# KiCad board H.A.V.O.C. PCB V 1.0.kicad_pcb (continued)
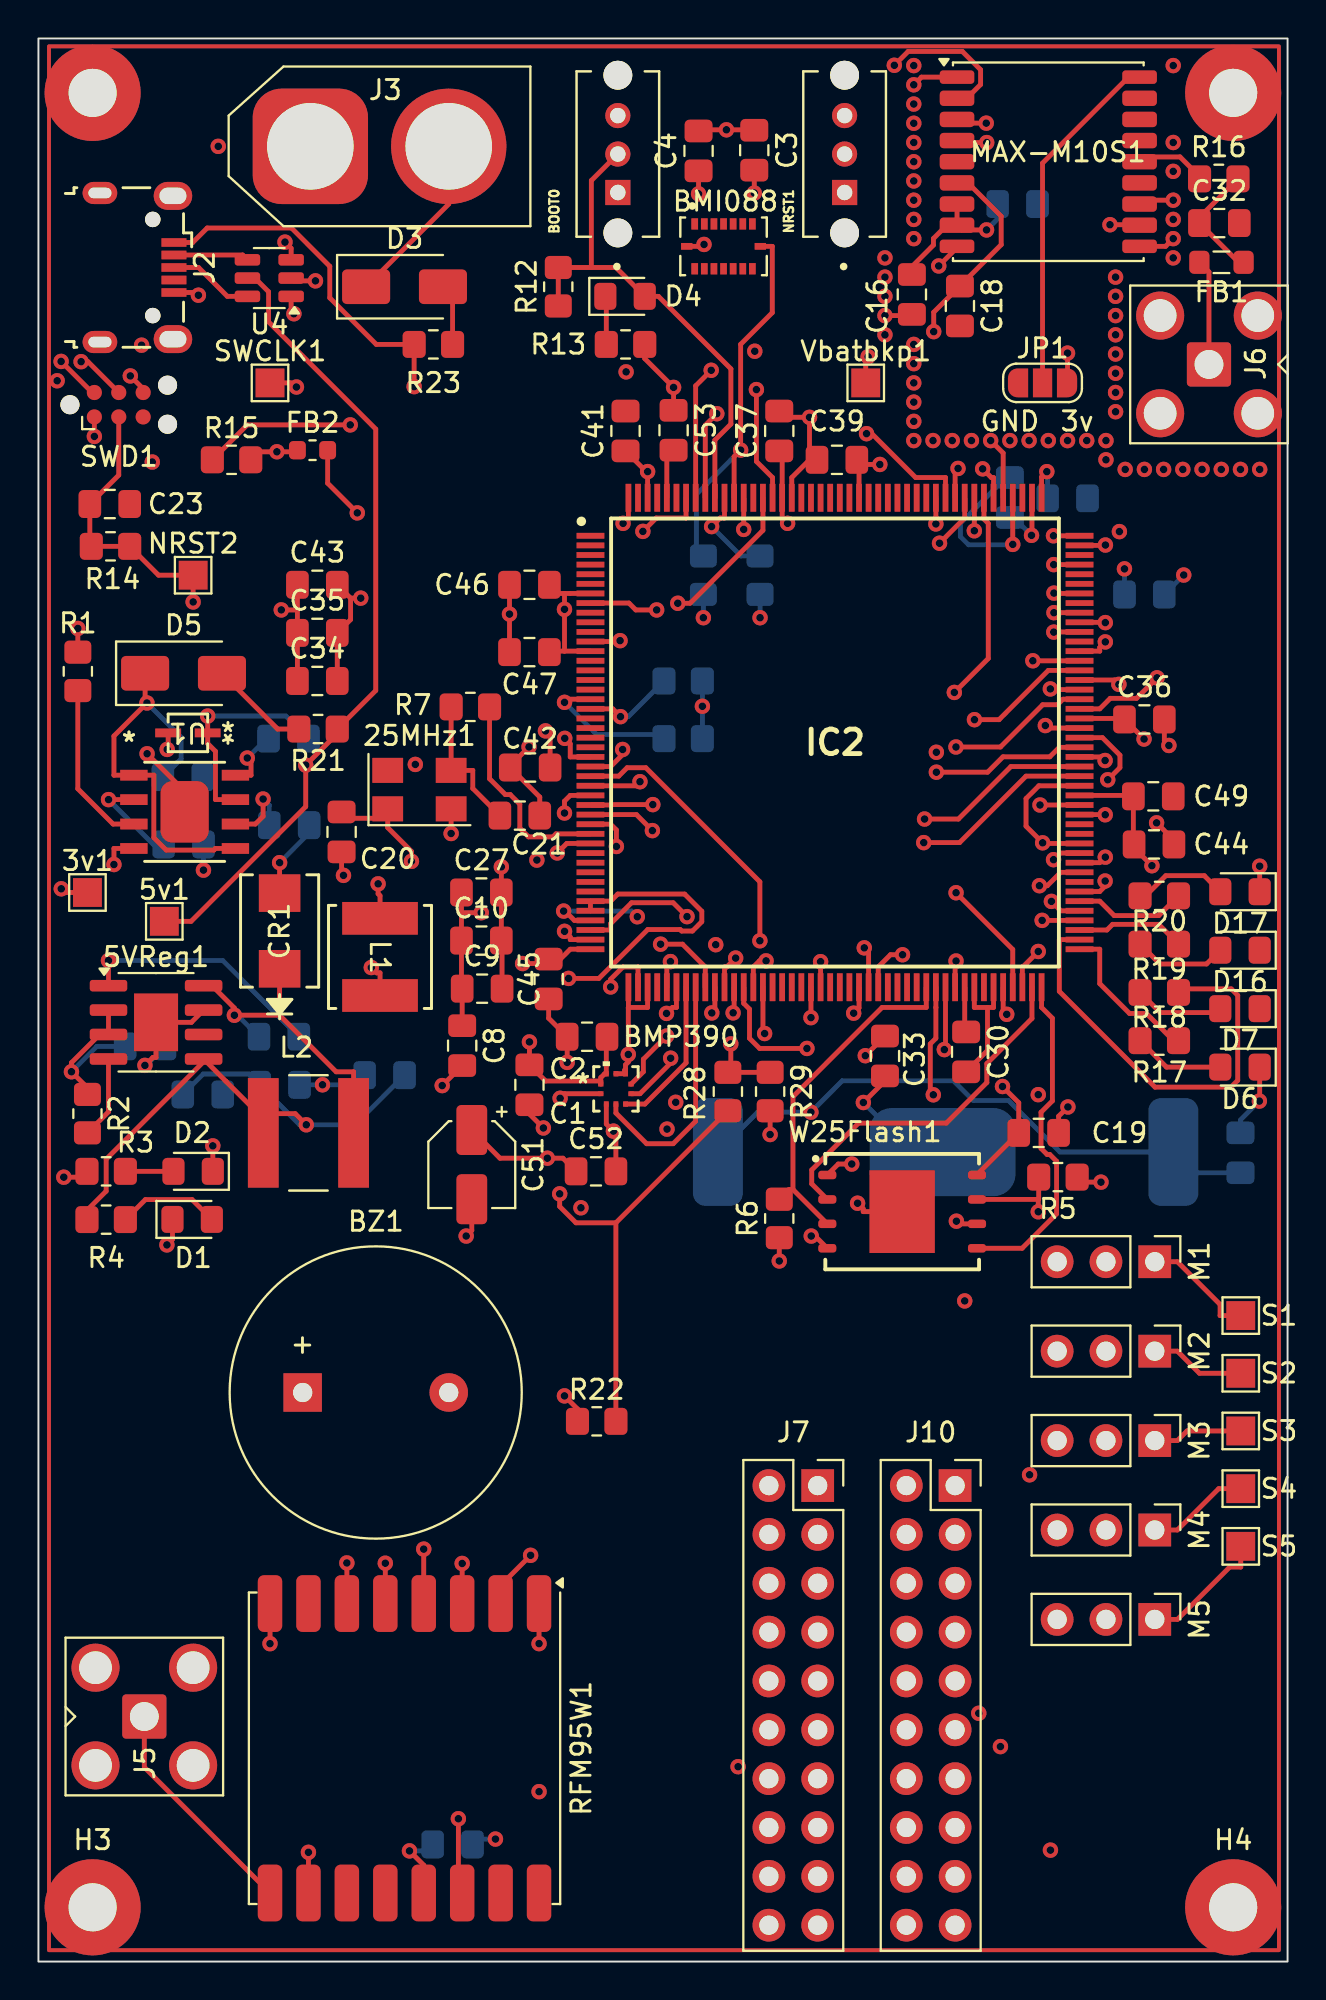
[diagram p0: board, top side]
## Routing (per net, layer and track width the routed paths; a pad name or vN(x,y) marks a point on that pad's centre or on a via; arc(x,y) is an arc through that point) (continued)
SPI3_MOSI: length 80
  Top w0.25: v1(22.05,20.7) RFM95W1.3 ; IC2.142 47.7,77.49 v1(47.85,77.64)
  3v3 w0.25: v1(48.2,34.35) 35.7,34.35 v1(22.05,20.7)
  In6.Cu w0.25: v1(48.2,34.35) 49.35,35.5 49.35,46.69 49.46,46.8 49.46,76.04 v1(47.85,77.64)
SPI3_RST: length 70.2
  Top w0.25: v1(46.7,74.76) IC2.144 ; v1(16.05,20.73) RFM95W1.6
  In5.Cu w0.25: v1(46.7,74.76) 33.02,61.08 33.02,55.11 26.79,48.87 26.79,47.94 16.05,37.21 v1(16.05,20.73)
SPI3_SCK: length 70
  Top w0.25: v1(20.05,21.45) RFM95W1.4 ; v1(48.7,74.4) IC2.140
  In5.Cu w0.25: v1(20.05,21.45) 20.05,23.77 39.3,43.02 39.3,44.46 44.17,49.33 44.17,49.72 49.45,55 49.45,73.65 v1(48.7,74.4)
SPI5_CS: length 79.9
  Top w0.25: v1(31.95,58.81) 31.12,59.64 IC2.30
  In5.Cu w0.25: v1(31.95,58.81) 31.95,56.88 22.35,47.28 22.35,45.86 12.42,35.93 12.42,22.65 23.26,11.81 31.99,11.81 36.83,6.97 J7.16
SPI5_MISO: length 63.8
  Top w0.25: v1(27.37,59.72) 27.37,60.34 27.67,60.64 IC2.28
  In6.Cu w0.25: v1(27.37,59.72) 28.78,58.31 28.78,40.86 29.83,39.82 29.83,15.62 37.21,8.24 38.44,8.24 39.37,7.31 39.37,6.42 40.18,5.61 40.55,5.61 J7.17
SPI5_MOSI: length 67.1
  Top w0.25: v1(31.97,60.16) 29.8,60.16 29.78,60.14 IC2.29
  3v3 w0.25: J7.19 40.55,3.07 40.18,3.07 39.37,3.88 39.37,7.36 38.49,8.24 37.6,8.24 36.41,9.44 v1(36.41,10.13)
  In6.Cu w0.25: v1(36.41,10.13) 31.44,15.1 31.44,51.66 30.39,52.7 30.39,56.89 30.81,57.31 30.81,59 v1(31.97,60.16)
SPI5_SCK: length 68.4
  Top w0.25: v1(31.3,61.35) 31.09,61.14 IC2.27
  In6.Cu w0.25: J7.18 38.01,5.61 37.64,5.61 28.96,14.29 28.96,39.5 28.33,40.12 28.33,57.36 26.64,59.04 26.64,60.09 27.91,61.35 v1(31.3,61.35)
SWCLK: length 55.8
  Top w0.25: v1(2.22,83.19) 2.58,83.19 SWD1.4 ; v1(13.42,81.88) 13.34,81.88 13.13,82.09 SWCLK1.1 ; IC2.138 49.7,77.17 49.59,77.17 v1(49.13,77.62)
  3v3 w0.25: v1(2.22,83.19) 12.11,83.19 v1(13.42,81.88)
  In5.Cu w0.25: v1(49.13,77.62) 48.26,76.74 21.15,76.74 16.02,81.88 v1(13.42,81.88)
SWDIO: length 61.6
  Top w0.25: v1(1.18,83.21) 2.8,81.59 SWD1.2 ; v1(52.82,74.14) IC2.132
  In5.Cu w0.25: v1(52.82,74.14) 50.9,76.06 16.98,76.06 9.79,83.25 5.14,83.25 4.43,83.96 4.43,84.67 3.92,85.18 2.51,85.18 1.18,83.85 v1(1.18,83.21)
SWO: length 43.5
  Top w0.25: SWD1.6 5.45,81.78 v1(4.78,82.45) ; v1(33.27,70.63) 33.91,70.63 37.7,74.42 IC2.162
  3v3 w0.25: v1(4.78,82.45) 4.78,80.34 13.03,72.1 31.8,72.1 v1(33.27,70.63)
UART4_RX: length 42.7
  Top w0.25: v1(33.75,54.34) 33.03,55.06 30.86,55.06 29.78,53.97 29.78,53.64 IC2.42
  In6.Cu w0.25: J7.6 38.01,20.85 37.71,20.85 34.96,23.6 34.96,46.8 33.86,47.9 33.86,54.22 v1(33.75,54.34)
UART4_TX: length 53.4
  Top w0.25: v1(27.33,54.62) 27.4,54.62 27.89,54.14 IC2.41
  In6.Cu w0.25: J7.14 38.01,10.69 37.65,10.69 31.9,16.44 31.9,52.01 31.16,52.75 v1(31.16,54.33)
  Bottom w0.25: v1(27.33,54.62) 30.87,54.62 v1(31.16,54.33)
UART5_RX: length 59.4
  Top w0.25: MAX-M10S1.2 48.31,96.89 49.03,97.61 49.03,98.37 48.08,99.33 45.26,99.33 v1(44.54,98.61) ; IC2.85 50.7,51.72 50.7,52.63 v1(47.75,55.58)
  In3.Cu w0.25: v1(47.75,55.58) 49.46,57.29 49.46,72.21 47.88,73.79 47.88,75.52 44.8,78.6 44.8,98.34 v1(44.54,98.61)
UART5_TX: length 58.8
  Top w0.25: v1(52.03,52.52) 51.22,51.72 51.2,51.72 IC2.86 ; v1(49.32,95.6) 47.99,95.6 MAX-M10S1.3
  3v3 w0.25: v1(49.32,95.6) 49.46,95.6 52.86,92.2 52.86,92.1 56.79,88.16 56.79,84.51 62.99,78.32 63.88,78.32 64.29,77.9 64.29,67.38 54.78,57.86 54.78,55.27 v1(52.03,52.52)
USB_D+: length 50.9
  Top w0.25: U4.1 13.15,85.83 v1(13.29,85.68) ; IC2.131 55.23,73.64 55.24,73.66 v1(55.52,73.66)
  3v3 w0.25: v1(13.29,85.68) 30.26,85.68 34.4,81.55 34.4,80.3 35,79.69 37.85,79.69 44.56,72.98 49.51,72.98 49.57,72.92 51.42,72.92 51.9,73.4 55.26,73.4 v1(55.52,73.66)
USB_D-: length 50.8
  Top w0.25: U4.3 13.15,89.09 v1(12.83,89.41)
  3v3 w0.25: v1(56.25,74.36) 55.13,75.48 48.09,75.48 43.89,79.68 43.89,79.76 39.91,83.74 v1(37.28,83.74) 33.78,83.74 28.11,89.41 v1(12.83,89.41)
USB_D_Connector+: length 4.4
  Top w0.25: 10.87,86.59 9.83,86.59 8.33,88.09 J2.3
USB_D_Connector-: length 3.9
  Top w0.25: 10.87,88.49 10.62,88.74 J2.2
V_DETECT: length 10.6
  Top w0.25: IC2.58 37.2,51.72 37.52,52.03 v1(37.86,52.03) ; 36.03,46.24 R28.1 ; 36.03,46.24 R29.1 ; 36.03,46.24 v1(36.03,47.72)
  3v3 w0.25: v1(36.03,47.72) 37.86,49.55 v1(37.86,52.03)
Net-(3v3Reg1-SW): length 14.7
  Top w0.25: L1.1 17.77,55.42 17.68,55.52 v1(17.68,56.04) ; 3v3Reg1.8 11.06,61.69 11.06,62.39 v1(10.87,62.58)
  3v3 w0.25: v1(17.68,56.04) 17.41,56.04 v1(10.87,62.58)
  Bottom w0.25: v1(10.87,62.58) 11.87,63.59 C7.1
Net-(5VReg1-BST): length 12.9
  Top w0.25: v1(3.64,52.05) 5VReg1.1
  Bottom w0.25: C13.1 9.59,52.05 v1(3.64,52.05)
Net-(5VReg1-EN): length 43.4
  Top w0.25: R22.1 28.05,28.74 v1(27.37,29.41) ; 5VReg1.2 5VReg1.3 3.18,48.2 1.72,46.74 v1(1.72,46.27) 2.55,45.44 R2.1
  3v3 w0.25: v1(27.37,29.41) 15.27,41.51 6.47,41.51 v1(1.72,46.27)
  Bottom w0.25: C12.1 3.04,47.59 v1(1.72,46.27)
Net-(5VReg1-PGOOD): length 4.3
  Top w0.25: 5VReg1.4 3.64,44.19 R2.2
Net-(5VReg1-SW): length 17.2
  Top w0.25: 12.55,49.21 15.49,46.27 16.4,46.27 L2.2 ; 12.55,49.21 CR1.1 ; 12.55,49.21 v1(10.2,49.21) 10.2,49.58 9.03,50.75 5VReg1.8
  Bottom w0.25: C13.2 10.36,49.21 v1(10.2,49.21)
Net-(25MHz1-Pad3): length 7.4
  Top w0.25: C21.1 22.6,61 22.6,61.94 25MHz1.3 R7.2
Net-(C32-Pad1): length 6.3
  Top w0.25: FB1.1 62.45,88.36 C32.1 60.41,90.69 R16.2
Net-(D1-A): length 2.5
  Top w0.25: D1.2 R3.2
Net-(D2-A): length 5.4
  Top w0.25: D2.2 7.99,39.62 5.57,39.62 R4.2
Net-(D3-A): length 3.2
  Top w0.25: R23.2 21.55,86.59 D3.2
Net-(D4-K): length 2.5
  Top w0.25: R13.1 29.55,86.54 D4.1
Net-(D5-A): length 5.2
  Top w0.25: R21.2 12.45,64.09 D5.2
Net-(D6-A): length 4.7
  Top w0.25: R17.2 58.7,46.51 D6.2
Net-(D7-A): length 4.7
  Top w0.25: D7.2 61.3,49.34 58.37,49.34 R18.2
Net-(D16-A): length 4.9
  Top w0.25: R19.2 58.36,51.87 60.78,51.87 D16.2
Net-(D17-A): length 5
  Top w0.25: D17.2 60.67,56.46 58.66,56.46 57.61,55.42 R20.2
Net-(IC2-VCAP_1): length 2.4
  Top w0.25: C30.1 48.2,48.42 IC2.80
Net-(IC2-VCAP_2): length 2.9
  Top w0.25: IC2.133 52.2,77.2 v1(52.47,77.47)
  Bottom w0.25: C48.1 52.51,77.43 v1(52.47,77.47)
Net-(IC2-VCAP_3): length 2.6
  Top w0.25: C53.2 32.7,78.24 IC2.172
Net-(J5-In): length 11.9
  Top w0.25: J5.1 5.51,10.1 RFM95W1.9
Net-(J6-In): length 16.6
  Top w0.25: FB1.2 60.91,87.86 J6.1 ; v1(55.76,90.31) 57.28,90.31 MAX-M10S1.11
  In3.Cu w0.25: v1(55.76,90.31) 55.94,90.31 60.91,85.35 J6.1
Net-(MAX-M10S1-VCC_RF): length 3.8
  Top w0.25: MAX-M10S1.14 57.55,93.84 59.4,93.84 60.42,92.82 R16.1

## Copper pours and planes (outline as drawn; the poured copper is in the pictures)
+3V3 on 3v3: 0.55,99.59 64.55,99.59 64.55,0.59 0.55,0.59
GND on GND: 42.5,99.5 0.55,99.59 0.55,0.59 64.55,0.59 64.5,76 42.5,76
GND on GND: 64.55,99.5 64.5,76.6 55.1,76.6 55.1,78.59 43.55,78.59 43.55,99.59
GND on GND2: 0.55,99.59 64.55,99.59 64.55,0.59 0.55,0.59
